# Altium PCB netv2mvp-pvt1b.PCBDOC (part 4 of 7) (continued)
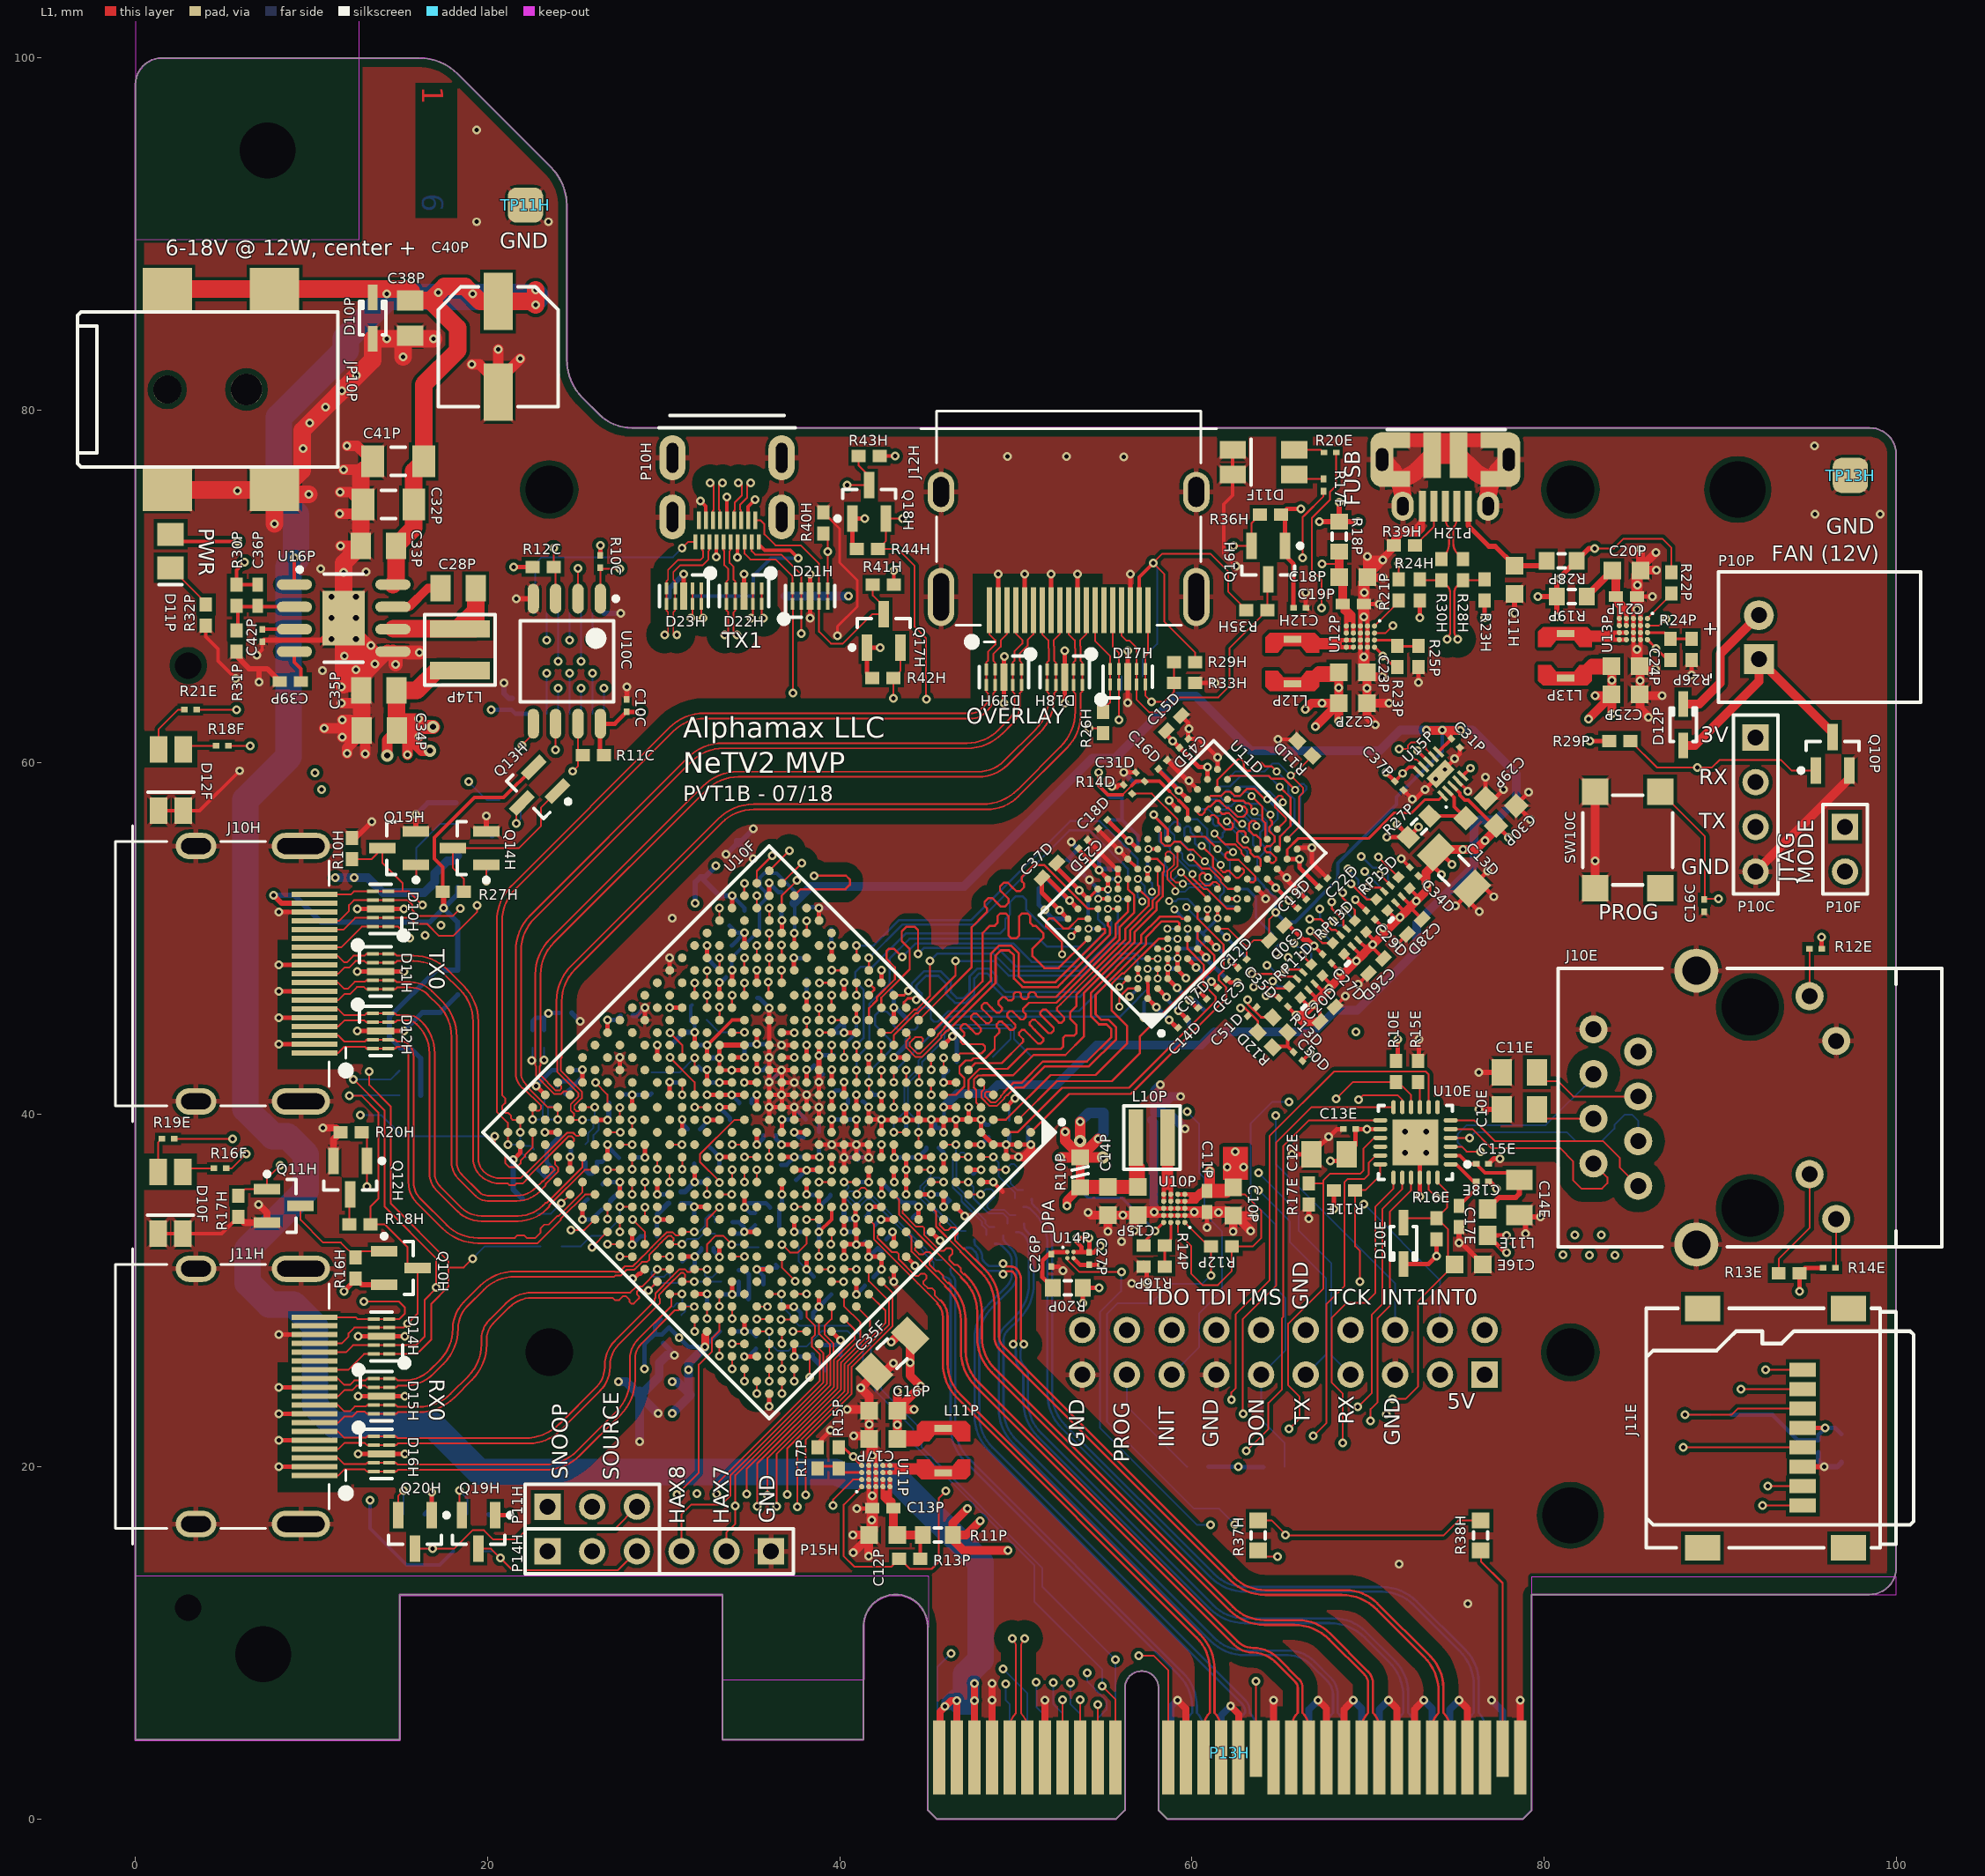
[diagram p0: L1 view]
## Nets (pads, with @x,y where several pads share a name; then routed paths per layer and width w, separated by ;. In a path a pad name is that pad's centre, name@x,y a point inside that pad or via, vN(x,y) a via of type N, cw(c..) or ccw(c..) an arc to the next point about the centre after c; other vN are vias at no path point) (continued)
  L1 w0.25: v1(8.15,20) J11H.2@10.16,20 ; v1(8.15,21.5) J11H.5@10.16,21.5 ; v1(8.15,23) J11H.8@10.16,23 ; v1(8.15,24.5) J11H.11@10.16,24.5 ; v1(8.15,27.5) J11H.17@10.16,27.5 ; v1(8.15,44) J10H.2@10.16,44 ; v1(8.15,45.5) J10H.5@10.16,45.5 ; v1(8.15,47) J10H.8@10.16,47 ; v1(8.15,48.5) J10H.11@10.16,48.5 ; v1(8.15,51.5) J10H.17@10.16,51.5 ; v1(12.6,44.75) D12H.3@13.925,44.75 v1(15.25,44.75) ; v1(12.6,48.125) D11H.3@13.925,48.125 v1(15.25,48.125) ; v1(12.6,51.675) D10H.3@13.925,51.675 v1(15.25,51.675) ; v1(12.65,20.725) D16H.3@13.975,20.725 v1(15.3,20.725) ; v1(12.65,24) D15H.3@13.975,24 v1(15.3,24) ; v1(12.65,27.4) D14H.3@13.975,27.4 v1(15.3,27.4) ; v1(21.46,37.44) 21.858,37.838 U10F.AA22@21.858,38.293 ; v1(22.767,41.627) U10F.AB19@23.272,41.121 ; U10F.V21@24.686,36.879 v1(24.686,37.594) ; U10F.W18@26.101,39.707 v1(26.815,39.707) ; U10F.R20@27.515,35.464 v1(27.515,36.179) ; U10F.Y15@27.515,42.536 v1(27.515,43.251) ; v1(28.225,30.7) 28.325,30.7 28.6,30.975 28.682,30.975 U10F.L22@28.929,31.222 ; v1(28.929,37.578) U10F.T17@28.929,38.293 ; U10F.AA12@28.929,45.364 v1(28.929,46.079) ; v1(29.628,34.05) U10F.M19@30.343,34.05 ; U10F.U14@30.343,41.121 v1(30.343,41.836) ; U10F.AB9@30.343,48.192 v1(30.343,48.907) ; D23H.3@31.15,69.45 v1(31.15,70.7) ; U10F.H21@31.757,29.808 v1(32.472,29.808) ; v1(31.757,36.164) U10F.N16@31.757,36.879 ; U10F.V11@31.757,43.95 v1(31.757,44.665) ; v1(32.457,39.707) U10F.P13@33.172,39.707 ; v1(32.457,41.121) U10F.R12@33.172,41.121 v1(33.871,41.121) U10F.P11@34.586,41.121 ; v1(33.172,31.921) U10F.J18@33.172,32.636 ; v1(33.172,43.235) U10F.U10@33.172,43.95 ; U10F.W8@33.172,46.778 v1(33.172,47.493) ; v1(33.871,42.536) U10F.R10@34.586,42.536 ; D22H.3@34.575,69.45 v1(34.575,70.7) ; v1(34.586,27.678) U10F.E20@34.586,28.393 ; v1(34.586,34.749) U10F.K15@34.586,35.464 ; U10F.Y5@34.586,49.607 v1(34.586,50.322) ; v1(35.285,31.222) U10F.F17@36,31.222 ; v1(36,23.436) U10F.A22@36,24.151 ; U10F.M11@36,39.707 v1(36,40.422) ; v1@36,46.079 v1(36,46.05) U10F.T7@36,45.364 U10F.R8@36,43.95 v1(36,43.251) U10F.P9@36,42.536 ; U10F.AA2@36,52.435 v1(36,53.15) ; v1(36.699,38.293) U10F.K11@37.414,38.293 ; v1(36.699,43.95) U10F.P7@37.414,43.95 ; v1(37.402,48.902) 37.402,48.23 37.427,48.205 U10F.U4@37.414,48.192 ; v1(37.414,26.264) U10F.B19@37.414,26.979 ; v1(37.414,33.335) U10F.G14@37.414,34.05 ; U10F.J12@37.414,36.879 37.441,36.852 v1(38.127,36.852) 38.127,36.876 38.129,36.879 U10F.H11@38.828,36.879 ; U10F.L10@37.414,39.707 v1@37.414,40.406 ; U10F.M9@37.414,41.121 v1@36.707,41.121 ; U10F.N8@37.414,42.536 v1(36.699,42.536) ; v1(37.422,40.414) U10F.M10@36.707,40.414 ; v1(37.422,41.828) U10F.N9@36.707,41.828 ; U10F.L9@38.121,40.414 v1(38.121,41.129) ; v1(38.325,68.2) D21H.3@38.325,69.45 v1(38.325,70.7) ; R17P.2@38.75,21.225 38.75,21.35 v1(39.475,22.075) ; v1(38.825,43.36) U10F.N6@38.825,44.075 ; v1(38.828,29.093) U10F.C16@38.828,29.808 ; v1(38.828,34.749) U10F.G12@38.828,35.464 ; U10F.J10@38.828,38.293 v1(39.543,38.293) U10F.H9@40.243,38.293 ; U10F.K9@38.828,39.707 v1(38.828,40.422) ; U10F.L8@38.828,41.121 v1(38.828,41.836) ; U10F.V1@38.828,51.021 v1(38.828,51.736) ; v1(40.243,31.921) U10F.D13@40.243,32.636 v1@40.95,32.636 ; v1(40.243,34.749) U10F.F11@40.243,35.464 ; U10F.G10@40.243,36.879 v1@40.243,37.594 ; v1(40.243,37.578) U10F.H9@40.243,38.293 ; U10F.J8@40.243,39.707 v1(40.243,40.422) ; U10F.K7@40.243,41.121 v1(40.243,41.836) ; U10F.P3@40.243,46.778 v1(40.243,47.493) ; v1(40.95,32.628) v1@40.95,32.636 ; U10F.E11@40.95,34.757 40.905,34.713 v1(40.905,34.113) 40.905,33.388 U10F.D12@40.95,33.343 v1@40.95,32.636 ; U10F.G9@40.95,37.586 v1@40.95,38.293 ; v1(40.95,38.301) v1@40.95,38.293 ; v1(40.975,17.625) C13P.2@41.65,17.625 ; C12P.2@41.65,16.125 41.662,16.137 C12P.2@41.95,16.425 ; C12P.2@41.65,16.325 C13P.2@41.65,17.625 ; v1(41.657,37.578) U10F.G8@41.657,38.293 v1@40.95,38.293 ; v1(41.657,40.422) U10F.H7@41.657,39.707 41.665,39.715 v1(42.364,39.715) U10F.G7@42.364,39 ; U10F.K5@41.657,42.536 v1(41.657,43.251) ; C12P.2@41.85,16.525 C12P.2@41.95,16.425 ; 41.85,16.725 41.85,16.975 C13P.2@41.85,17.625 ; C12P.2@42.05,16.35 C12P.2@42.05,16.525 ; v1(42.356,34.05) U10F.C10@43.071,34.05 ; v1(42.364,31.214) U10F.B12@42.364,31.929 41.665,31.929 v1(41.657,31.921) U10F.C12@41.657,32.636 v1@40.95,32.636 ; v1(42.364,35.457) U10F.E9@42.364,36.172 ; v1@42.372,39.707 U10F.G6@43.071,39.707 v1@43.778,39.707 ; v1(43.071,30.507) U10F.A12@43.071,31.222 ; U10F.L2@43.071,45.364 v1(43.071,46.079) ; U10F.A11@43.778,31.929 v1(44.284,31.423) ; v1(43.778,35.457) U10F.D8@43.778,36.172 v1(43.778,36.871) U10F.E7@43.778,37.586 ; v1(43.778,39.699) v1@43.778,39.707 ; U10F.G5@43.778,40.414 v1@43.778,39.707 ; v1(44.485,40.422) U10F.F5@44.485,39.707 ; U10F.A9@45.192,33.343 v1(45.698,32.838) ; U10F.E5@45.192,39 v1@45.192,39.707 ; v1(45.192,39.715) v1@45.192,39.707 ; U10F.C6@45.899,36.879 v1(45.899,37.594) ; v1(45.899,38.992) U10F.E4@45.899,39.707 ; U10F.H1@45.899,43.95 v1(46.405,44.455) ; v1@46.599,39.707 U10F.E4@45.899,39.707 ; U10F.A7@46.607,34.757 v1(47.112,34.252) ; U10F.D4@46.607,39 v1(46.607,39.715) U10F.D3@47.314,39.715 ; U10F.D3@47.314,39.707 U10F.D3@47.314,39.715 ; v1(47.314,40.422) U10F.D3@47.314,39.715 ; U10F.A5@48.021,36.172 v1(48.736,36.172) 48.736,36.139 49.25,35.625 ; J12H.2@49,68.64 v1(49,70.7) ; v1(49.325,63.375) D19H.3@49.325,64.85 v1@49.325,65.925 ; U10F.A3@49.435,37.586 v1(50.15,37.586) ; U10F.A3@49.443,37.594 v1(49.443,38.293) ; J12H.5@50.5,68.64 v1(50.5,70.7) ; v1(50.857,38.293) U10F.A2@50.142,38.293 v1(49.443,38.293) ; J12H.8@52,68.64 v1(52,70.7) ; C26P.2@52.025,31.375 52.45,31.375 v1(52.675,31.15) ; v1(52.775,63.375) D18H.3@52.775,64.85 v1(52.775,66.35) ; U14P.B2@53.275,31.85 53.65,31.475 C27P.2@54.175,31.475 v1(54.85,31.475) ; J12H.11@53.5,68.64 v1(53.5,70.7) ; v1(56.35,63.4) D17H.3@56.35,64.875 v1(56.35,66.35) ; J12H.17@56.5,68.64 v1(56.5,70.7) ; R16P.2@57.25,31.6 57.425,31.425 v1(57.425,30.45) ; v2@59.19,48.842 U11D.D1@59.19,48.29 59.19,48.219 v1(59.65,47.759) ; R33H.2@60.175,64.525 v1(61.3,64.525) ; v1(60.35,47.059) C17D.2@60.852,46.558 ; v1(60.85,33.6) C11P.2@60.85,34.275 ; v1(61.119,47.564) C23D.2@61.488,47.194 ; 61.75,34.475 C11P.2@60.85,34.475 ; C10P.2@61.95,34.475 C10P.2@62.05,34.575 ; C10P.2@62.125,34.675 C10P.2@61.95,34.675 ; C10P.2@62.15,34.275 C11P.2@60.85,34.275 ; v1(62.25,48.695) C12D.2@62.62,48.325 ; C10P.2@62.35,34.275 C10P.2@62.05,34.575 ; v1(65.7,37.75) C12E.2@66.8,37.75 68.225,39.175 C13E.2@68.6,39.175 ; C12H.2@66.475,68.775 v1(66.475,69.65) ; C18P.2@69.575,70.275 C18P.2@69.575,70.1 ; 69.775,69.9 C19P.2@69.775,69 ; C18P.2@69.775,70.1 C18P.2@69.675,70.2 ; C18P.2@69.975,70.3 C19P.2@69.975,69 ; C18P.2@69.975,70.5 C18P.2@69.675,70.2 ; v1(70.65,69) C19P.2@69.975,69 ; C37P.2@72.022,58.428 v1(72.528,57.922) 72.697,57.922 v1(73.244,58.469) U15P.11@73.75,58.975 ; v1(72.875,64.55) R25P.2@72.875,65.4 ; R15E.1@72.9,43.275 v1(72.9,44.275) ; v1(72.95,35.35) U10E.22@72.95,36.425 U10E.25@72.95,38.175 ; U15P.11@74.425,59.7 v1(74.931,60.206) 75.222,60.497 C31P.2@75.222,60.853 ; v1(74.969,51.844) C13D.2@75.475,52.35 ; C13D.2@75.825,52.025 v1(76.331,51.519) ; C13D.2@76.3,53.325 v1(76.806,53.831) ; C13D.2@76.65,52.875 v1(77.156,52.369) ; C29P.2@76.675,58.45 v1(76.675,59.165) ; C29P.2@77.2,57.95 v1(77.706,58.456) ; C30P.2@78.625,57.8 v1(79.131,58.306) ; C30P.2@78.725,57.275 v1(79.231,56.769) ; C20P.2@85.075,70.525 C20P.2@85.175,70.625 ; C20P.2@85.075,70.7 85.075,70.075 85.075,69.425 v1@85.075,68.6 ; 85.275,70.325 C21P.2@85.275,69.425 ; C20P.2@85.275,70.525 C20P.2@85.175,70.625 ; C20P.2@85.475,70.725 C21P.2@85.475,69.425 ; C20P.2@85.475,70.925 85.463,70.912 C20P.2@85.175,70.625 ; v1(86.15,69.425) C21P.2@85.475,69.425 ; v1(88.375,64.975) R26P.2@88.375,65.825 ; v1(36,40.422) U10F.N10@36,41.121 ; v1(36,40.422) 36.008,40.414 U10F.M10@36.707,40.414 ; U10F.N10@36,41.121 v1(36,41.836) U10F.P9@36,42.536 ; U10F.N10@36,41.121 v1(36.699,41.121) v1@36.707,41.121 ; U10F.P9@36,42.536 v1(36.699,42.536) ; v1(36.699,42.536) 36.707,42.528 U10F.N9@36.707,41.828 ; U10F.M10@36.707,40.414 v1@36.707,41.121 ; v1@36.707,41.121 U10F.N9@36.707,41.828 ; U10F.H9@40.243,38.293 v1@40.95,38.293 ; C13P.2@41.65,17.625 41.65,17.65 41.65,18.35 v1@41.65,18.475 ; C13P.2@41.65,17.625 C13P.2@41.85,17.625 ; v1@41.65,18.475 v1@42.05,18.475 ; v1@41.65,18.475 U11P.B3@41.65,19.675 U11P.B4@41.65,20.075 v1@41.65,20.5 ; v1@41.65,20.5 41.65,21.525 41.675,21.55 C17P.2@41.85,21.375 ; v1@41.65,20.5 v1@41.85,20.5 ; C13P.2@41.85,17.625 41.838,17.638 41.825,17.65 41.825,18.45 v1@42.05,18.45 ; v1@41.85,20.5 42.025,20.5 42.05,20.475 ; v1@41.85,20.5 v1(41.85,20.625) C17P.2@41.85,21.375 ; C17P.2@41.85,21.375 42.05,21.175 42.05,20.475 ; C12P.2@41.95,16.425 C12P.2@42.05,16.525 ; C12P.2@42.05,16.525 v1@42.05,18.45 ; v1@42.05,18.45 v1@42.05,18.475 ; v1@42.05,18.475 42.05,20.475 ; v1@43.778,39.707 U10F.F5@44.485,39.707 ; U10F.F5@44.485,39.707 v1@45.192,39.707 ; v1@45.192,39.707 U10F.E4@45.899,39.707 ; U10F.D3@47.314,39.715 v1(48.021,39.715) U10F.C3@48.021,39 U10F.B3@48.728,38.293 v1(49.443,38.293) ; C15P.2@57.1,34.475 v1(57.85,34.475) v1@57.975,34.475 ; C15P.2@57.1,34.475 57.3,34.675 58,34.675 ; C15P.2@57.1,34.475 C15P.2@56.925,34.3 56.95,34.275 v1@57.975,34.275 ; v1@57.975,34.275 v1@57.975,34.475 ; v1@57.975,34.275 U10P.B4@58.4,34.275 U10P.B2@59.2,34.275 v1@60,34.275 ; v1@57.975,34.475 57.975,34.65 58,34.675 ; 58,34.675 U10P.C4@58.4,34.675 U10P.C3@58.8,34.675 U10P.C2@59.2,34.675 U10P.C1@59.6,34.675 v1@60,34.675 ; v1@60,34.275 C11P.2@60.85,34.275 ; v1@60,34.275 v1@60,34.675 ; v1@60,34.675 v1@60.025,34.675 ; v1@60.025,34.675 C10P.2@61.95,34.675 ; v1@60.025,34.675 60.025,34.45 60.825,34.45 C11P.2@60.85,34.475 ; C11P.2@60.85,34.275 C11P.2@60.85,34.475 ; C10P.2@61.95,34.675 C10P.2@62.05,34.575 ; 69.575,66.15 69.575,65.45 C23P.2@69.775,65.25 ; 69.575,66.15 69.6,66.125 v1@69.775,66.125 ; 69.575,66.15 U12P.C4@69.575,66.55 U12P.C3@69.575,66.95 U12P.C2@69.575,67.35 U12P.C1@69.575,67.75 v1@69.575,68.15 ; v1@69.575,68.15 v1@69.975,68.15 ; v1@69.575,68.15 v1@69.575,68.175 ; v1@69.575,68.175 69.8,68.175 69.8,68.975 C19P.2@69.775,69 ; v1@69.575,68.175 C18P.2@69.575,70.1 ; C18P.2@69.575,70.1 C18P.2@69.675,70.2 ; C23P.2@69.775,65.25 69.95,65.075 69.975,65.1 v1@69.975,66.125 ; C23P.2@69.775,65.25 v1(69.775,66) v1@69.775,66.125 ; v1@69.775,66.125 v1@69.975,66.125 ; C19P.2@69.775,69 C19P.2@69.975,69 ; v1@69.975,66.125 U12P.B4@69.975,66.55 U12P.B3@69.975,66.95 U12P.B2@69.975,67.35 v1@69.975,68.15 ; v1@69.975,68.15 69.975,68.275 C19P.2@69.975,69 ; 85.075,66.575 U13P.C1@85.075,68.175 v1@85.075,68.575 ; 85.075,66.575 85.075,65.875 C24P.2@85.275,65.675 ; 85.075,66.575 85.1,66.55 v1@85.275,66.55 ; v1@85.075,68.575 v1@85.475,68.575 ; v1@85.075,68.575 v1@85.075,68.6 ; v1@85.075,68.6 85.275,68.6 85.3,68.6 85.3,69.4 C21P.2@85.275,69.425 ; C24P.2@85.275,65.675 85.45,65.5 85.475,65.525 v1@85.475,66.55 ; C24P.2@85.275,65.675 v1(85.275,66.425) v1@85.275,66.55 ; v1@85.275,66.55 v1@85.475,66.55 ; C21P.2@85.275,69.425 C21P.2@85.475,69.425 ; v1@85.475,66.55 U13P.B4@85.475,66.975 U13P.B3@85.475,67.375 U13P.B2@85.475,67.775 v1@85.475,68.575 ; v1@85.475,68.575 85.475,68.7 C21P.2@85.475,69.425
  L1 w0.254: C37D.2@51.483,53.452 51.483,52.603 v1(52.475,51.611) ; C37D.2@51.765,53.452 v1(53.05,52.167) U11D.B9@53.533,51.684 ; v1@52.549,51.684 v1(52.475,51.611) ; U11D.A9@52.968,51.119 v1(52.475,51.611) ; C25D.2@54.064,55.609 55.725,53.947 U11D.F9@55.796,53.947 v2(55.796,53.353) ; C18D.2@54.7,56.245 54.7,56.174 v1(55.869,55.005) U11D.G9@56.362,54.513 ; v1(55.45,58.625) 55.75,58.625 55.845,58.72 R14D.1@56.114,58.72 ; v1(56.127,59.427) C31D.2@56.821,59.427 ; U11D.B1@58.059,47.159 v1(58.551,46.666) v1@58.551,46.596 ; C16D.2@58.589,60.134 59.758,58.965 v1(59.829,58.965) U11D.P9@60.321,58.472 ; v1(58.698,57.833) U11D.M9@59.19,57.341 ; v1(59.247,45.9) C14D.2@59.72,45.426 ; C15D.2@59.402,62.644 59.791,62.255 C45D.2@59.791,61.336 60.417,61.336 v1(61.453,60.3) U11D.T9@61.453,59.604 ; U11D.E1@59.756,48.856 v1(60.248,48.363) ; U11D.G1@60.887,49.987 v1(61.379,49.495) v1@61.45,49.495 ; U11D.M1@63.716,52.816 64.2,52.331 v1(64.2,52.25) ; U11D.P1@64.847,53.947 65.344,53.45 65.375,53.45 65.375,53.42 65.339,53.384 C19D.2@66.509,52.215 ; C30D.1@65.249,50.749 65.499,50.749 66.323,49.925 66.606,49.925 v1(66.951,49.581) ; U11D.T1@65.978,55.078 66.05,55.15 v1(66.825,55.15) 66.825,54.302 C22D.2@67.711,53.417 ; v1(69.281,52.2) C29D.1@69.903,51.578
  L1 w0.3: R31P.1@5.75,66.3 5.75,66.025 6.45,65.325 7.475,65.325 C39P.2@8.2,64.6 ; v1(7.025,64.575) 7.025,65.3 ; C42P.2@7.2,66.85 7.3,66.95 10.575,66.95 U16P.9@11.825,68.2 ; R10H.1@12.3,55.7 12.5,55.7 v1(13.425,56.625) ; Q15H.2@15.925,56.075 v1(15.925,57.025) ; Q14H.2@19.925,56.075 v1(19.925,56.95) ; v1(21.625,69.3) U10C.4@22.595,69.3 ; C10C.2@27.9,63.575 v1(27.9,64.3) ; U10F.U10@33.172,43.95 U10F.T9@34.586,43.95 ; v1(38.828,41.836) U10F.M7@38.828,42.536 v1@38.828,43.357 ; v1(66.65,34.1) R17E.1@66.65,34.9 ; P12H.5@73.1,74.475 P12H.5@73.1,73.725 ; C17E.2@75.175,33.625 v1(75.175,32.725) 75.3,32.725 C16E.2@76.525,31.5 ; v1(76.3,40.3) C10E.2@77.6,40.3 ; v1(76.3,42.4) C11E.2@77.6,42.4 ; C18E.2@76.85,36.2 76.9,36.2 v1(77.3,35.8) ; C15E.2@76.85,37.2 77.15,37.5 v1(77.5,37.5) ; v1(78.325,68.475) C11H.2@78.325,69.575 ; C14E.2@78.6,34.3 C14E.2@78.7,34.2 ; v1(78.95,33.25) 78.95,33.95 C14E.2@78.7,34.2 ; v1(79.8,34.2) C14E.2@78.7,34.2 ; J11E.6@94.7,20 v1(95.925,20) ; R39H.2@71.475,72.325 70.85,71.7 v1(70.85,71.5) 71.475,72.125 R39H.2@71.475,72.325 ; R39H.2@71.475,72.325 R39H.2@71.475,72.525 ; R39H.2@71.475,72.525 71.925,72.975 72.825,72.975 73.1,73.25 73.1,73.5 ; R39H.2@71.475,72.525 71.475,72.85 71.775,73.15 72.525,73.15 ; 72.525,73.15 P12H.5@73.1,73.725 ; 72.525,73.15 72.75,73.15 73.1,73.5 ; 73.1,73.5 P12H.5@73.1,73.725
  L1 w0.4: R17H.2@5.85,34.2 6.175,33.875 Q11H.2@7.475,33.875 7.475,34.425 v1(7,34.9) ; v1(10.65,39.25) 11.4,39.25 R20H.2@11.65,39 11.25,38.6 Q12H.2@11.25,37.375 ; P13H.B4@48.65,3.5 v1(48.65,6.75) v1(48.65,7.7) ; P13H.B7@51.65,3.5 v1(51.65,6.75) ; v1(59.175,6.75) 59.65,6.275 P13H.B13@59.65,3.5 ; v1(62.2,6.425) 62.675,5.95 P13H.B16@62.675,3.175 ; P13H.B18@64.65,3.5 v1(64.65,6.75) ; v1(67.175,6.75) 67.65,6.275 P13H.B21@67.65,3.5 ; P13H.B22@68.65,3.5 68.65,6.225 v1(69.175,6.75) ; v1(71.175,6.75) 71.65,6.275 P13H.B25@71.65,3.5 ; P13H.B26@72.65,3.5 72.65,6.225 v1(73.175,6.75) ; v1(75.175,6.75) 75.65,6.275 P13H.B29@75.65,3.5 ; P13H.B32@78.65,3.5 v1(78.65,6.75)
  L1 w0.5: U16P.9@11.825,68.2 13.73,66.295 14.32,66.295 U16P.5@14.625,66.295 ; v1(40.425,23.25) 41.675,23.25 41.675,24 v1(41.2,24.475) 41.95,25.225 C35F.2@41.95,25.4 42.575,25.4 v1(43.05,25.875) ; v1(40.75,16.125) 41.65,16.125 C12P.2@41.65,16 ; v1(40.775,15.125) C12P.2@41.65,16 ; v1(40.8,21.75) 41.475,21.75 41.662,21.563 41.675,21.55 C16P.2@41.675,23.05 ; v1(41.65,14.925) C12P.2@41.65,16 ; v1(50.15,37.586) 50.476,37.586 50.857,37.967 v1(50.857,38.293) ; v1(54.1,34.45) 54.25,34.3 C14P.2@55.225,34.3 v1(55.225,33.375) ; C14P.2@55.425,34.3 C15P.2@56.925,34.3 56.725,34.1 v1(56.725,33.425) ; v1(62.35,33.375) C10P.2@62.35,34.275 C10P.2@62.475,34.275 ; v1(63.35,33.4) C10P.2@62.475,34.275 ; v1(63.55,34.275) C10P.2@62.475,34.275 ; C22P.2@69.95,63.575 69.95,65.075 70.15,64.875 v1(70.825,64.875) ; v1(69.975,71.7) C18P.2@69.975,70.625 ; v1(70.425,62.15) 69.95,62.625 C22P.2@69.95,63.375 v1(71.2,63.375) ; v1(70.875,70.5) 69.975,70.5 C18P.2@69.975,70.625 ; SW10C.2@82.9,52.846 v1(82.9,54.4) SW10C.1@82.9,58.346 ; C25P.2@85.45,64 85.45,65.5 85.65,65.3 v1(86.325,65.3) ; v1(85.475,72.125) C20P.2@85.475,71.05 ; v1(85.925,62.575) 85.45,63.05 85.45,63.8 v1(86.7,63.8) ; v1(86.35,71.925) C20P.2@85.475,71.05 ; v1(86.375,70.925) 85.475,70.925 C20P.2@85.475,71.05 ; P10C.4@92.02,53.8 93.9,55.68 93.93,55.68 97.35,59.1 Q10P.2@97.35,59.547 ; C18P.2@69.975,70.625 70.413,71.062 ; 70.413,71.062 70.413,71.262 70.175,71.5 v1(70.85,71.5) 70.413,71.062
  L1 w0.6: v1(10.725,61.95) C34P.2@12.725,61.95 ; v1(11.6,74.125) 12.387,74.125 12.8,74.538 C32P.1@12.912,74.65 12.8,74.763 12.213,75.35 v1(11.625,75.35) ; v1(11.65,72.3) C33P.2@12.8,72.3 ; v1(11.7,63.375) 12.75,63.375 12.85,63.275 ; v1(11.7,64.3) 12.625,64.3 C35P.2@12.825,64.1 C35P.2@12.55,63.825 ; v1(11.75,61.45) 12.475,61.45 C34P.2@12.85,61.825 ; v1(11.75,62.425) 12.25,62.425 C34P.2@12.725,61.95 ; v1(11.825,76.625) 12.99,76.625 C41P.1@13.465,77.1 12.6,77.965 v1(12.01,77.965) ; v1(12.025,60.525) 12.025,60.825 12.85,61.65 C34P.2@12.85,61.825 ; v1(13.05,60.5) 13.05,61.625 C34P.2@12.85,61.825 ; v1(19.1,82.6) 19.55,82.6 C40P.2@20.6,81.55 ; C40P.2@20.6,81.025 C40P.2@20.6,81.55 ; v1(20.6,83.45) C40P.2@20.6,81.667 ; v1(21.858,82.925) C40P.2@20.6,81.667 ; C34P.2@12.725,61.95 C34P.2@12.85,61.825 ; C40P.2@20.6,81.55 C40P.2@20.6,81.667
  L1 w0.8: C35P.2@12.85,64.825 U16P.5@14.32,66.295 ; U16P.5@14.625,66.295 U16P.5@14.67,66.25 ; v1(14.775,65.575) 14.775,66.145 U16P.5@14.67,66.25 ; v1(16.125,66.25) U16P.5@14.67,66.25 ; P12H.0@71.6,78.3 P12H.0@77.2,78.3
  L1 w1: JP10P.2@2.85,75.475 JP10P.3@7.905,75.475 ; v1(7.905,73.555) JP10P.3@7.905,75.475 ; v1(9.85,75.225) 8.155,75.225 JP10P.3@7.905,75.475 ; v1@11.825,64.425 v1@11.825,65.85 ; 12.75,66.625 13.4,65.975 13.125,65.7 12.85,65.7 U16P.9@11.825,66.725 ; C34P.2@12.85,61.825 12.85,63.275 12.85,64.825 v1@11.825,65.85 ; C41P.1@12.99,76.625 12.8,76.435 12.8,74.763 12.8,74.538 C33P.2@12.8,72.3 11.825,71.325 v1(11.825,70.8) U16P.9@11.825,68.2 U16P.9@11.825,66.725 ; v1(15.2,83.025) 15.2,83.825 C38P.2@15.425,84.05 ; C38P.2@15.6,84.225 C38P.2@15.425,84.05 ; v1(16.925,84.05) C38P.2@15.425,84.05 ; P12H.0@70.8,77.2 71.231,76.769 cw(c69.435,74.973) P12H.0@71.709,76.104 ; P12H.0@71.6,76.1 ccw(c71.6,77.79) P12H.0@71.709,76.104 ; P12H.0@71.975,74.55 71.975,74.973 ccw(c69.435,74.973) P12H.0@71.709,76.104 ; P12H.0@76.825,74.55 76.825,74.973 cw(c79.365,74.973) P12H.0@77.091,76.104 ; P12H.0@77.2,76.1 cw(c77.2,77.79) P12H.0@77.091,76.104 ; P12H.0@78,77.2 77.569,76.769 ccw(c79.365,74.973) P12H.0@77.091,76.104 ; JP10P.3@7.905,75.475 8.375,75.475 9.475,76.575 9.475,78.85 13.465,82.84 D10P.2@13.465,84.05 C38P.2@15.425,84.05 ; v1@11.825,65.85 U16P.9@11.825,66.725 ; P12H.0@71.709,76.104 ccw(c71.6,77.79) 72.795,76.595 P12H.0@73.65,77.45 P12H.0@75.15,77.45 76.005,76.595 ccw(c77.2,77.79) P12H.0@77.091,76.104
  L3 w1: P12H.0@70.8,76.777 ccw(c73.34,76.777) 71.544,74.981 P12H.0@71.975,74.55 P12H.0@76.825,74.55 77.256,74.981 ccw(c75.46,76.777) 78,76.777 P12H.0@78,77.2 P12H.0@70.8,77.2 P12H.0@70.8,76.777
  L6 w0.18: 60.625,50.29 v2@61.459,51.125
  L6 w0.2: C57F.2@30.339,34.022 C57F.2@30.343,34.018 ; R15F.1@31.601,46.224 31.55,46.174 31.55,45.3 31.757,45.093 v1(31.757,44.665) ; v1(35.285,31.222) 35.343,31.279 U11F.2@36.454,31.279 ; U11F.2@36.375,31.483 U11F.2@36.49,31.369 ; v2(54.128,50.553) U10D.B3@54.665,50.553 ; U10D.E1@55.23,53.381 v2@55.767,53.381 ; U10D.E2@55.796,52.816 v2(55.796,53.353) ; v1(57.275,45.5) 57.275,46.375 U10D.A9@57.493,46.593 ; v2(57.522,55.078) U10D.J2@58.059,55.078 ; U10D.D8@58.624,48.856 v2@59.206,48.856 ; v1(58.698,57.833) U10D.M1@59.19,57.341 U10D.M1@59.19,57.449 ; v2(59.19,48.884) U10D.E8@59.19,49.421 U10D.F9@60.321,49.421 ; 60.625,50.29 60.625,50.25 ; v2(61.453,51.147) U10D.J8@61.453,51.684 ; v2@61.459,51.125 v2@61.475,51.125 ; v1(66.951,49.581) C42D.1@67.428,49.103 ; U10D.F9@60.321,49.421 U10D.G8@60.321,50.553 60.625,50.25 ; U10D.F9@60.321,49.421 U10D.G9@60.887,49.987 60.625,50.25
  L6 w0.25: v1@22.739,41.614 23.65,42.525 C83F.2@23.9,42.525 ; v1(24.686,37.594) 24.722,37.63 C81F.2@24.722,38.22 ; C84F.2@26.524,36.049 26.654,36.179 v1(27.515,36.179) ; C51F.2@28.2,37.578 v1(28.929,37.578) ; C82F.2@29.6,33.1 29.6,34.022 C57F.2@30.339,34.022 ; C57F.2@30.343,34.018 C57F.2@30.45,34.125 ; v1(30.343,41.836) 30.354,41.825 C28F.2@31.125,41.825 ; C71F.2@31.75,37.225 31.75,36.701 31.757,36.694 v1(31.757,36.164) ; C93F.2@32.075,39.175 32.457,39.557 v1(32.457,39.707) 32.464,39.7 C26F.2@33.075,39.7 ; v1(32.472,29.808) 32.472,29.308 C92F.2@32.578,29.203 ; C52F.2@32.85,32.425 32.85,32.243 v1(33.172,31.921) ; v1(33.172,43.235) 33.172,43.897 C46F.2@33.25,43.975 ; v1(33.172,47.493) 33.238,47.493 C76F.2@33.547,47.803 ; C78F.2@33.751,50.726 34.155,50.322 v1(34.586,50.322) 34.586,50.311 C13F.2@33.875,49.6 ; v1(33.871,41.121) 34.3,40.692 C39F.2@34.3,40.65 ; C68F.2@33.9,27.675 34.582,27.675 v1(34.586,27.678) 34.972,27.678 C54F.2@35.25,27.4 ; C55F.2@35.2,34.425 34.91,34.425 v1(34.586,34.749) 34.811,34.975 35.8,34.975 C89F.2@36.05,34.725 ; v1(35.285,31.222) 35.674,30.833 C86F.2@35.674,30.374 ; C61F.2@35.325,46.625 35.425,46.625 v1(36,46.05) C47F.2@36,45.275 ; v1(36,41.836) v1(36.699,42.536) ; v1(36,53.15) 36.525,52.625 C75F.2@36.7,52.625 ; C34F.2@36.375,38.825 36.375,38.617 v1(36.699,38.293) 37.362,38.293 C32F.2@37.453,38.203 ; v1(37.402,48.902) 37.429,48.875 C79F.2@38.125,48.875 ; v1(37.414,26.264) C99F.2@38.35,26.264 ; v1(37.422,40.414) 37.422,40.378 C45F.2@38.075,39.725 ; v1@37.429,33.35 C80F.2@38.175,33.35 ; C29F.2@37.524,36.301 37.551,36.301 38.102,36.852 v1(38.127,36.852) 38.572,36.852 C33F.2@38.697,36.978 ; C14F.2@37.947,51.772 38.792,51.772 v1(38.828,51.736) 38.839,51.725 C63F.2@39.525,51.725 ; C69F.2@38.5,28.475 38.5,28.764 v1(38.828,29.093) C85F.2@39.53,29.795 ; C11F.2@38.825,39.025 38.828,39.028 v1(38.828,40.422) ; v1(38.828,34.749) 39.475,35.396 C31F.2@39.475,35.45 ; v1(38.828,41.836) 38.828,42.083 C43F.2@39.047,42.303 ; C62F.2@38.953,44.028 38.825,43.9 v1(38.825,43.36) 38.842,43.378 C19F.2@39.678,43.378 ; v1(39.543,38.293) 40.143,38.293 40.25,38.4 40.25,37.585 v1(40.243,37.578) C48F.2@41.025,37.578 ; v1(40.243,40.422) 40.472,40.652 C41F.2@40.472,40.878 ; v1(40.243,47.493) 40.25,47.486 C77F.2@40.25,46.675 ; v1(40.95,32.628) 41.303,32.628 C30F.2@41.475,32.8 ; v1(40.95,38.301) 41.025,38.226 C48F.2@41.025,37.578 ; C48F.2@41.025,37.425 C48F.2@41.025,37.578 ; C59F.2@41.303,40.753 41.326,40.753 v1(41.657,40.422) ; v1(41.657,31.921) 42.153,32.417 C15F.2@42.153,32.428 42.364,32.216 v1(42.364,31.214) C67F.2@41.922,30.772 ; v1(41.657,37.578) C48F.2@41.025,37.578 ; C12F.2@41.997,33.728 42.32,34.05 v1(42.356,34.05) v1@42.37,34.05 ; C60F.2@42.922,47.028 43.071,46.879 v1(43.071,46.079) 43.171,46.079 C64F.2@43.8,45.45 ; C10F.2@43.775,38.9 43.775,39.696 v1(43.778,39.699) ; C17F.2@44.999,33.301 45.235,33.301 v1(45.698,32.838) ; v1(45.192,39.715) 45.428,39.48 C18F.2@45.428,39.253 45.639,39.253 v1(45.899,38.992) ; C44F.2@45.625,38.125 45.899,37.851 v1(45.899,37.594) ; v1(46.405,44.455) 46.647,44.213 C73F.2@46.647,42.997 ; C87F.2@46.747,34.628 46.747,34.616 v1(47.112,34.252) ; v1(48.021,39.715) 48.311,39.425 C16F.2@48.45,39.425 ; C88F.2@48.072,36.153 48.092,36.172 v1(48.736,36.172) ; v1(49.443,38.293) 49.625,38.475 C74F.2@49.625,38.975 ; C65F.2@50.7,39.275 50.7,38.45 v1(50.857,38.293)
  L6 w0.254: C48D.2@51.801,53.346 52.979,52.167 v1(53.05,52.167) U10D.B1@53.533,51.684 ; v1(52.475,51.611) v1@52.549,51.684 ; v1(53.15,55.475) 53.511,55.114 C46D.2@53.569,55.114 C47D.2@52.932,54.477 53.003,54.477 U10D.D1@54.665,52.816 v2@54.665,52.279 ; C11D.2@54.7,56.174 v1(55.869,55.005) U10D.G1@56.362,54.513 ; v1(56.127,59.427) 56.655,58.899 C10D.1@56.924,58.899 ; U10D.B9@58.059,47.159 v1(58.551,46.666) 58.551,46.596 v1(59.247,45.9) 59.826,45.32 C44D.2@59.826,45.108 ; C24D.2@58.589,60.134 58.66,60.134 v1(59.829,58.965) U10D.P1@60.321,58.472 ; C21D.2@59.402,62.644 59.791,62.255 C36D.2@59.791,61.336 60.417,61.336 v1(61.453,60.3) U10D.T1@61.453,59.604 ; v1(60.248,48.363) 60.319,48.363 C40D.2@61.488,47.194 ; U10D.G9@60.887,49.987 v1(61.379,49.495) 61.45,49.495 C39D.2@62.62,48.325 ; U10D.M9@63.716,52.816 64.2,52.331 v1(64.2,52.25) ; v1(64.225,46.75) 64.831,46.75 C33D.1@64.953,46.628 ; v1(64.8,49.15) 64.8,49.445 R10D.1@65.094,49.74 ; U10D.P9@64.847,53.947 65.344,53.45 65.375,53.45 65.375,53.419 66.509,52.285 C41D.2@66.509,52.215 ; C32D.2@65.802,50.447 66.348,49.9 66.631,49.9 v1(66.951,49.581) ; U10D.T9@65.978,55.078 66.05,55.15 v1(66.825,55.15) 66.825,54.302 C38D.2@67.711,53.417 ; v1(69.281,52.2) C43D.1@69.903,51.578
  L6 w0.3: v1(15.25,44.75) 16.3,45.8 17.3,45.8 D13H.2@18.3,46.8 ; v1@15.95,57 v1(15.925,57.025) 16.6,57.7 R34H.2@18.2,57.7 ; v1(19.925,56.95) 19.925,56.175 R31H.2@20.263,55.837 ; v1(20.925,64.525) 20.925,63.925 21.2,63.65 C10H.2@21.4,63.65 ; v1(21.46,37.44) 21.46,35.74 R10F.2@21.976,35.224 ; C90F.2@24.775,45.775 v1(25.25,45.3) ; U10H.7@26.6,68.475 v1(27.55,68.475) ; v1@26.878,39.769 C96F.2@26.878,40.653 ; C94F.2@26.972,35.097 27.515,35.64 v1(27.515,36.179) ; C95F.2@28.25,45.625 28.475,45.625 v1(28.929,46.079) ; v1(29.628,34.05) 29.628,34.328 C98F.2@30.275,34.975 ; C91F.2@29.997,27.003 30.6,26.4 v1(30.6,26.325) ; D20H.2@30.3,69.4 30.3,69.85 v1(31.15,70.7) ; C58F.2@30.45,43.975 31.14,44.665 v1(31.757,44.665) ; C53F.2@30.975,35.625 31.219,35.625 v1(31.757,36.164) 32.314,36.164 C97F.2@32.503,36.353 ; C66F.2@32.472,43.222 33.159,43.222 v1(33.172,43.235) ; v1(33.55,54.775) 34.15,55.375 C49D.1@34.15,55.475 ; v1(35.1,54.525) C49D.1@34.15,55.475 ; v1(35.1,56.225) 34.425,55.55 C49D.1@34.15,55.55 C49D.1@34.15,55.475 ; C99F.2@38.453,26.353 38.453,26.224 C72F.2@39.176,25.501 ; v1(40.243,34.749) 40.243,34.218 C70F.2@40.1,34.075 v1@40.917,34.075 ; C20E.2@95.6,20.8 95.6,20.325 v1(95.925,20) 96.65,20 C19E.2@96.9,20.25
  L6 w0.4: P13H.A4@48.65,3.5 v1(48.65,6.75) v1(48.65,7.7) ; P13H.A12@58.8,3.5 58.8,6.375 v1(59.175,6.75) ; P13H.A15@61.65,3.5 61.65,5.875 v1(62.2,6.425) ; P13H.A18@64.65,3.5 v1(64.65,6.75) ; P13H.A20@66.65,3.5 66.65,6.225 v1(67.175,6.75) ; v1(69.175,6.75) 69.65,6.275 P13H.A23@69.65,3.5 ; P13H.A24@70.65,3.5 70.65,6.225 v1(71.175,6.75) ; v1(73.175,6.75) 73.65,6.275 P13H.A27@73.65,3.5 ; P13H.A28@74.65,3.5 74.65,6.225 v1(75.175,6.75) ; v1(77.025,6.75) 77.65,6.125 P13H.A31@77.65,3.5
  L6 w0.5: v1(27.425,24.825) 27.875,24.825 C50F.2@28.625,24.075 ; v1(28.625,21.425) C50F.2@28.625,24.025 C50F.2@28.625,24.075 ; C50F.2@28.625,24.3 C50F.2@28.625,24.075 ; v1(29.675,23.025) C50F.2@28.625,24.075 ; v1(30.6,26.325) 30.174,26.325 C56F.2@29.749,25.901 29.749,25.124 28.7,24.075 C50F.2@28.625,24.075 ; C49F.2@57.7,39.707 57.825,39.582 57.825,34.5 v1(57.85,34.475) ; v1(58.2,41.7) 57.885,41.385 C49F.2@57.885,40.1 ; v1(59.36,41.035) 58.82,41.035 C49F.2@57.885,40.1 ; v1(59.6,39.2) 58.7,40.1 C49F.2@57.885,40.1
  other v1: 75.675,12.225 71.775,14.476 41.825,16.975 41.85,18.35 41.675,22.4 56.575,30.413 56,32.8 56.075,34.3 61.5,34.45 60.125,34.475 67.775,38.75 30.475,51.15 66.125,52.725 54.175,53.325 65.4,53.45 59.825,61.925 69.95,64.225 85.45,64.65 10.625,65.225 12.525,65.275 13.6,65.6 49.35,66.025 11.86,66.05 13.375,66.65 69.775,68.275 85.275,68.7 69.8,69.65 85.3,70.075 13.1,70.825 10.525,71 95.4,74.1 99.1,74.1 5.8,75.425 56.127,77.35 49.525,77.375 52.875,77.375 9.525,77.825 95.375,77.975 9.9,79.275 10.8,80.175 11.725,81.1 12.55,81.975 14.275,84.05 19.375,90.7 23.45,90.7 19.375,95.925
  other v2: 56.95,47.731
  other v3: 11.125,67 12.525,67 11.125,68.2 12.525,68.2 11.125,69.4 12.525,69.4
  other v5: 72.1,37.825 73.3,37.825 72.1,39.025 73.3,39.025
  other v6: 73.85,59.05 74.375,59.6